# Altium PCB Main_Board.PcbDoc (part 12 of 19) (continued)
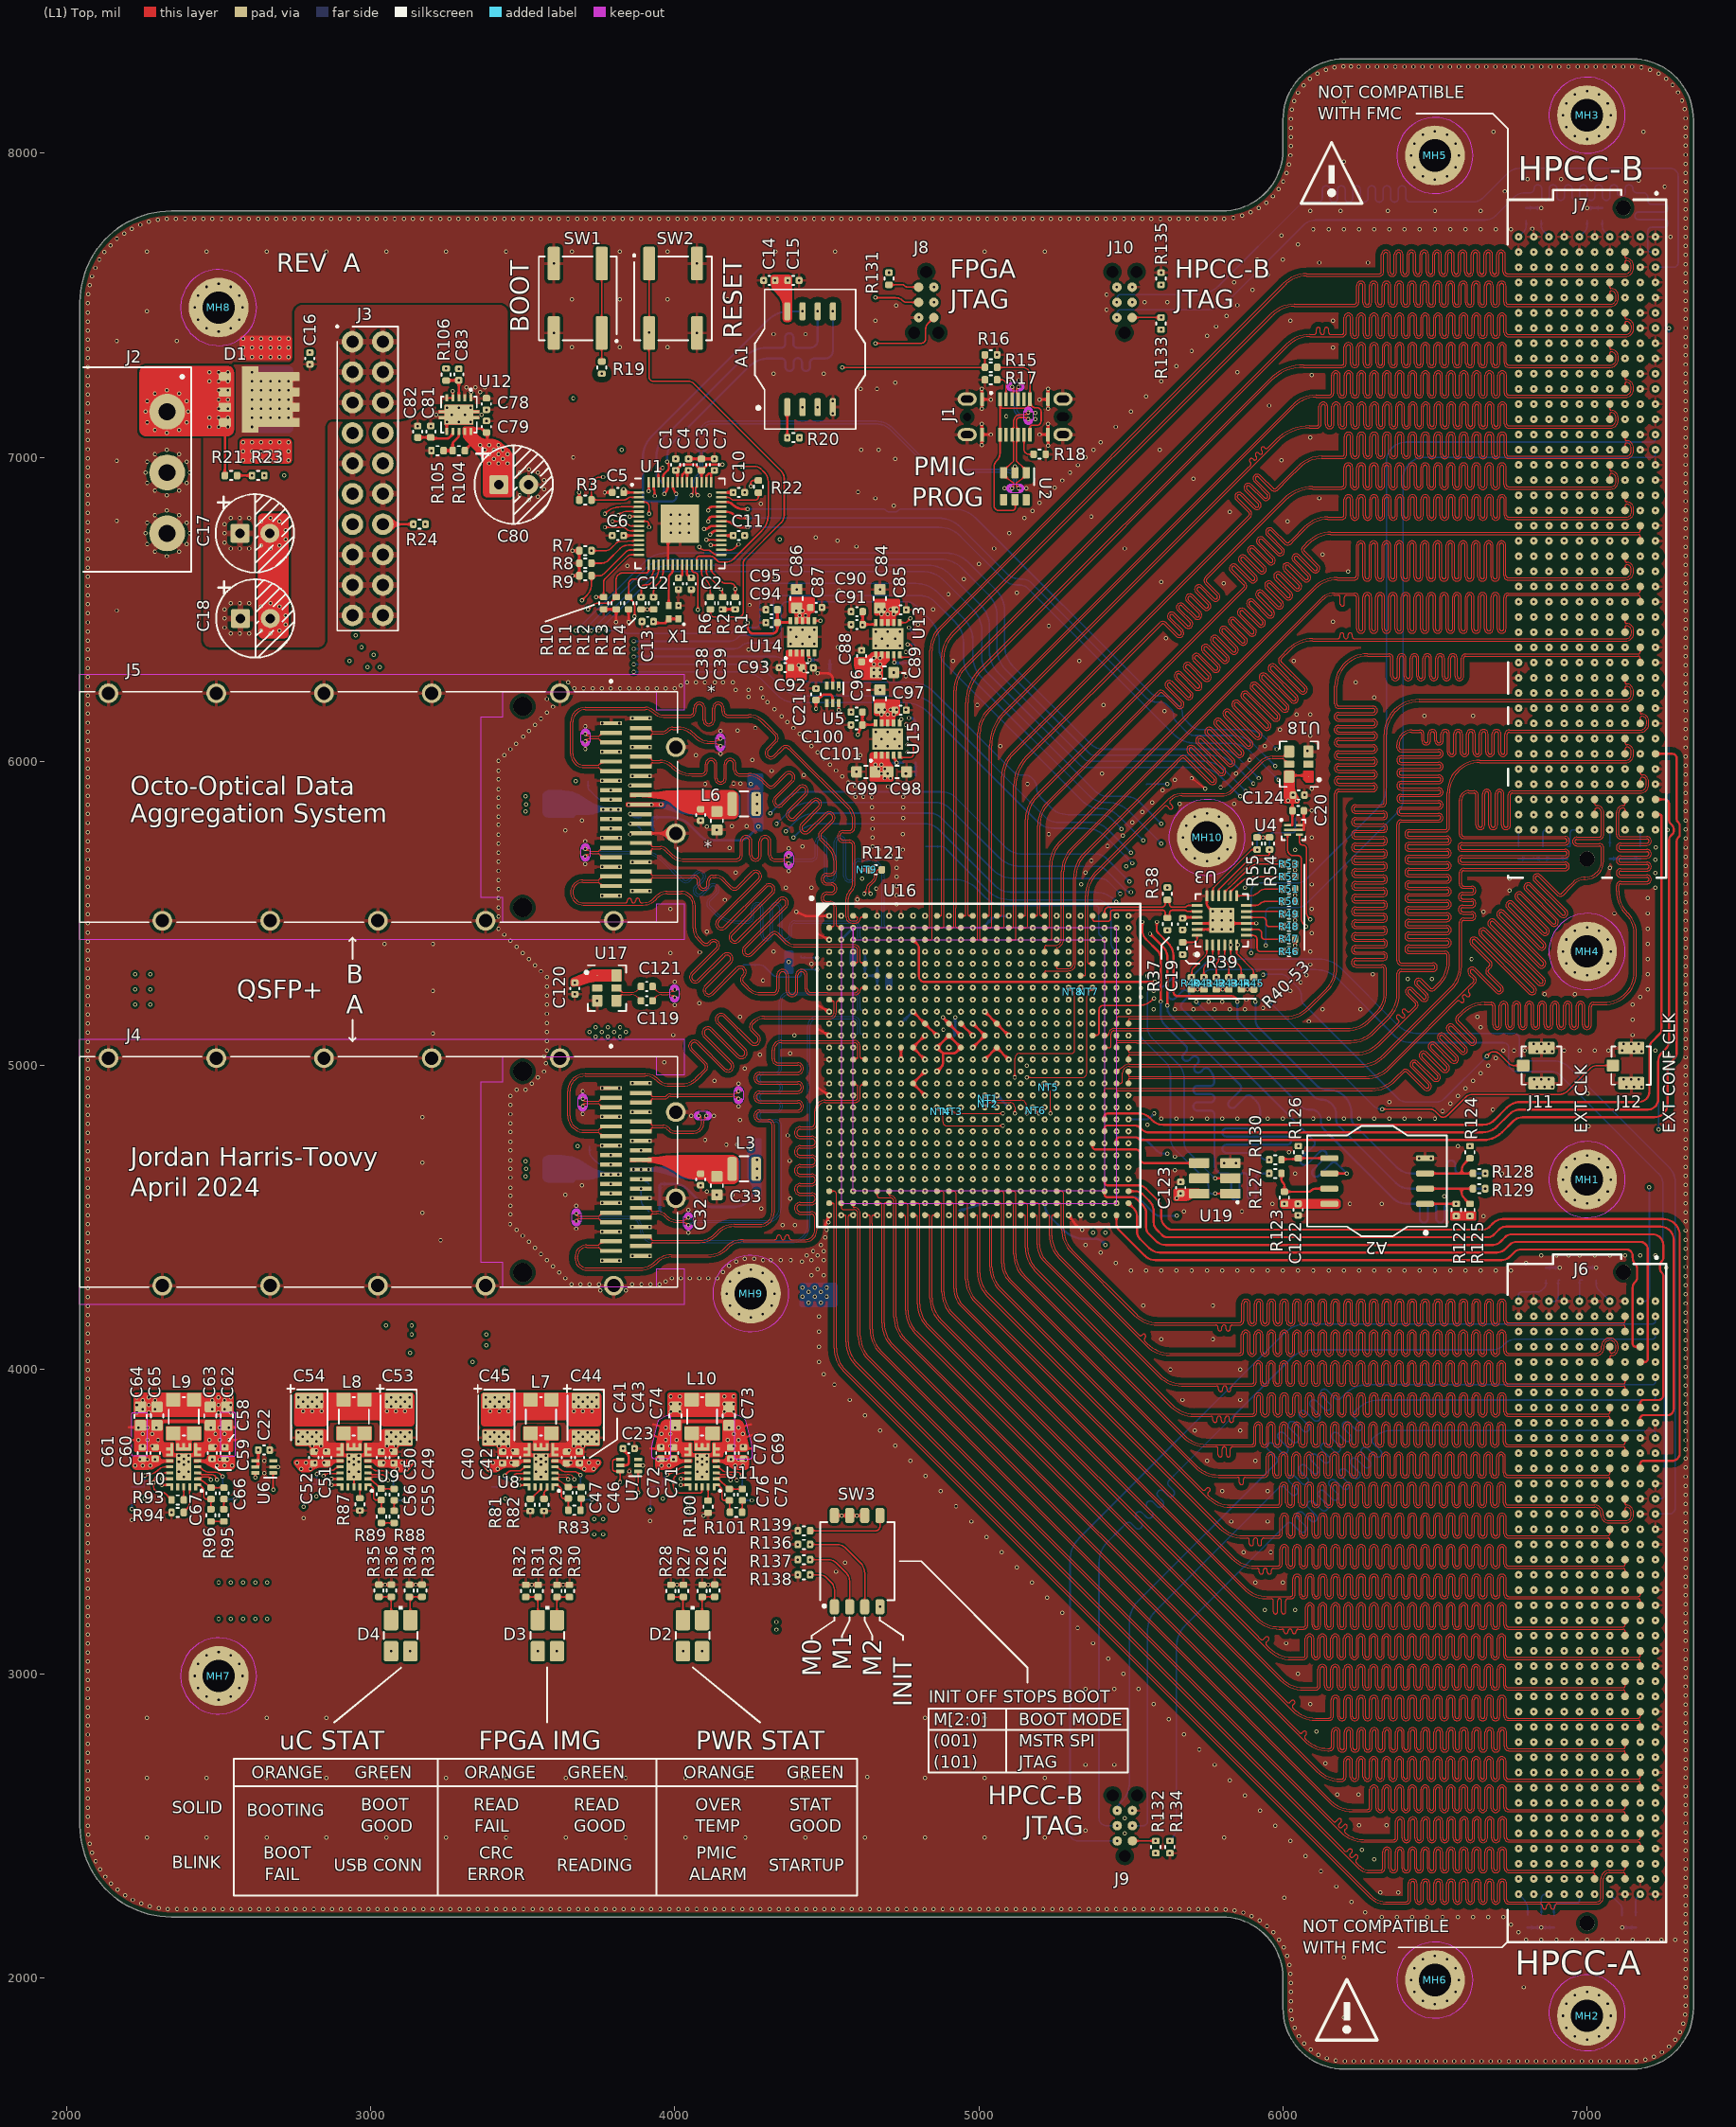
[diagram p0: (L1) Top view]
## Nets (pads, with @x,y where several pads share a name; then routed paths per layer and width w, separated by ;. In a path a pad name is that pad's centre, name@x,y a point inside that pad or via, vN(x,y) a via of type N, cw(c..) or ccw(c..) an arc to the next point about the centre after c; other vN are vias at no path point) (continued)
HPCC_B_21_N: J7.D25 U16.J19 | length 4292.2
  (L8) Inner 7 w3.5: v1(5216.54,5177.17) 5216.54,5188.54 cw(c5221,5188.54) 5221,5193 5294.22,5193 ccw(c5294.22,5217.39) 5318.62,5217.39 5318.62,5617.2 cw(c5418.62,5617.2) 5347.91,5687.91 5667.28,6007.28 5679.56,6019.56 cw(c5684.33,6014.79) 5689.11,6019.56 5733.67,5975 ; 5719.92,6051.82 ccw(c5715.13,6047.07) 5710.35,6051.84 ccw(c5715.13,6047.07) 5710.33,6042.32 5756.98,5995.67 5756.98,5995.5 cw(c5744.69,5985.96) 5755.69,5974.97 cw(c5744.69,5985.96) 5733.68,5974.98 ; 5719.93,6051.81 5765.21,6006.53 ; 5765.22,6006.52 ccw(c5776.23,6017.5) 5787.23,6006.51 ccw(c5776.23,6017.5) 5788.51,6027.04 5788.51,6027.21 5741.87,6073.85 cw(c5746.66,6078.6) 5741.89,6083.38 cw(c5746.66,6078.6) 5751.45,6083.36 5796.74,6038.07 ccw(c5807.77,6049.04) 5818.76,6038.04 ccw(c5807.77,6049.04) 5820.05,6058.57 5820.05,6058.74 5773.41,6105.39 cw(c5778.2,6110.14) 5773.43,6114.91 cw(c5778.2,6110.14) 5782.99,6114.9 5828.28,6069.61 ccw(c5839.3,6080.57) 5850.3,6069.58 ccw(c5839.3,6080.57) 5851.59,6090.11 5851.59,6090.28 5804.94,6136.93 cw(c5809.74,6141.68) 5804.96,6146.45 cw(c5809.74,6141.68) 5814.53,6146.43 ; 5814.54,6146.42 5859.82,6101.14 ; 5859.83,6101.13 ccw(c5870.84,6112.11) 5881.84,6101.12 ccw(c5870.84,6112.11) 5883.12,6121.65 5883.12,6121.82 5836.48,6168.46 cw(c5841.27,6173.21) 5836.5,6177.99 cw(c5841.27,6173.21) 5846.06,6177.97 5891.35,6132.68 ; 5891.37,6132.67 ccw(c5902.38,6143.65) 5913.37,6132.65 ccw(c5902.38,6143.65) 5914.66,6153.18 5914.66,6153.36 5868.02,6200 cw(c5872.81,6204.75) 5868.04,6209.52 cw(c5872.81,6204.75) 5877.6,6209.51 5922.89,6164.22 ccw(c5933.91,6175.19) 5944.91,6164.19 ccw(c5933.91,6175.19) 5946.2,6184.72 5946.2,6184.89 5899.55,6231.54 cw(c5904.35,6236.29) 5899.57,6241.06 cw(c5904.35,6236.29) 5909.14,6241.05 5954.43,6195.75 ccw(c5965.45,6206.72) 5976.45,6195.73 ccw(c5965.45,6206.72) 5977.74,6216.26 5977.73,6216.43 5931.09,6263.07 cw(c5935.88,6267.83) 5931.11,6272.6 cw(c5935.88,6267.83) 5940.67,6272.58 ; 5940.68,6272.57 5985.96,6227.29 ; 5985.98,6227.28 ccw(c5996.99,6238.26) 6007.98,6227.26 ccw(c5996.99,6238.26) 6009.27,6247.79 6009.27,6247.97 5962.63,6294.61 cw(c5967.42,6299.36) 5962.65,6304.13 cw(c5967.42,6299.36) 5972.21,6304.12 6017.5,6258.83 ; 6017.51,6258.82 ccw(c6028.52,6269.8) 6039.52,6258.8 ccw(c6028.52,6269.8) 6040.81,6279.33 6040.81,6279.5 5994.93,6325.38 cw(c5999.7,6330.16) 5994.93,6334.93 5999.28,6339.28 6175.71,6515.71 cw(c6246.42,6445) 6246.42,6545 6356,6545 6371.25,6545 cw(c6371.25,6538.25) 6378,6538.25 6378,6533.76 ccw(c6384.75,6533.76) 6391.5,6533.76 6391.5,6539.7 cw(c6398.25,6539.7) 6405,6539.7 6405,6533.76 ccw(c6411.75,6533.76) 6418.5,6533.76 6418.5,6538.25 cw(c6425.25,6538.25) 6425.25,6545 6438.86,6545 6920.94,6545 cw(c6922.39,6543.55) 6922.39,6545.6 7071.5,6545.6 cw(c7071.5,6542.1) 7073.97,6544.57 cw(c7071.5,6542.1) 7075,6542.1 v1(7075,6525)
HPCC_B_21_P: J7.D24 U16.J18 | length 4289.1
  (L8) Inner 7 w3.5: v1(5177.17,5177.17) 5177.17,5194.17 cw(c5183.35,5194.17) 5183.35,5200.35 5294.22,5200.35 ccw(c5294.22,5217.39) 5311.27,5217.39 5311.27,5516.23 ccw(c5308.79,5516.23) 5310.54,5517.98 cw(c5312.29,5519.73) 5309.82,5519.73 5309.82,5617.2 cw(c5418.62,5617.2) 5341.69,5694.13 5661.06,6013.5 5673.34,6025.78 cw(c5684.33,6014.79) 5695.33,6025.78 5739.94,5981.17 ccw(c5744.69,5985.96) 5749.47,5981.19 ccw(c5744.69,5985.96) 5749.45,5990.75 5704.16,6036.04 cw(c5715.13,6047.07) 5704.13,6058.06 cw(c5715.13,6047.07) 5724.66,6059.35 5724.83,6059.35 5771.48,6012.71 ccw(c5776.23,6017.5) 5781,6012.73 ccw(c5776.23,6017.5) 5780.99,6022.29 5735.7,6067.58 cw(c5746.66,6078.6) 5735.67,6089.6 cw(c5746.66,6078.6) 5756.2,6090.89 5756.37,6090.89 5803.02,6044.24 ccw(c5807.77,6049.04) 5812.54,6044.27 ccw(c5807.77,6049.04) 5812.52,6053.83 5767.23,6099.12 ; 5767.22,6099.13 cw(c5778.2,6110.14) 5767.2,6121.14 cw(c5778.2,6110.14) 5787.73,6122.43 5787.91,6122.43 5834.55,6075.78 ccw(c5839.3,6080.57) 5844.08,6075.8 ccw(c5839.3,6080.57) 5844.06,6085.36 ; 5844.05,6085.38 5798.77,6130.66 cw(c5809.74,6141.68) 5798.74,6152.67 cw(c5809.74,6141.68) 5819.27,6153.96 5819.44,6153.96 5866.09,6107.32 ccw(c5870.84,6112.11) 5875.61,6107.34 ccw(c5870.84,6112.11) 5875.6,6116.9 5830.31,6162.19 cw(c5841.27,6173.21) 5830.28,6184.21 cw(c5841.27,6173.21) 5850.81,6185.5 5850.98,6185.5 5897.63,6138.85 ccw(c5902.38,6143.65) 5907.15,6138.88 ccw(c5902.38,6143.65) 5907.13,6148.44 ; 5893.37,6225.28 cw(c5904.35,6236.29) 5893.35,6247.28 cw(c5904.35,6236.29) 5913.88,6248.57 5914.05,6248.57 5960.7,6201.93 ccw(c5965.45,6206.72) 5970.22,6201.95 ccw(c5965.45,6206.72) 5970.21,6211.51 5924.92,6256.8 cw(c5935.88,6267.83) 5924.89,6278.82 cw(c5935.88,6267.83) 5945.42,6280.11 5945.59,6280.11 5992.24,6233.46 ccw(c5996.99,6238.26) 6001.76,6233.49 ccw(c5996.99,6238.26) 6001.74,6243.05 5956.45,6288.34 cw(c5967.42,6299.36) 5956.43,6310.36 cw(c5967.42,6299.36) 5976.96,6311.65 5977.13,6311.65 6023.77,6265 ccw(c6028.52,6269.8) 6033.3,6265.02 ccw(c6028.52,6269.8) 6033.28,6274.58 ; 5893.38,6225.27 5938.66,6179.99 ; 5907.12,6148.45 5861.84,6193.73 cw(c5872.81,6204.75) 5861.82,6215.75 cw(c5872.81,6204.75) 5882.34,6217.04 5882.52,6217.04 5929.16,6170.39 ccw(c5933.91,6175.19) 5938.69,6170.41 ccw(c5933.91,6175.19) 5938.67,6179.97 ; 6033.27,6274.6 5988.73,6319.13 cw(c5999.7,6330.16) 5988.71,6341.15 5993.06,6345.5 6169.49,6521.93 cw(c6246.42,6445) 6246.42,6553.8 6917.3,6553.8 cw(c6918.75,6552.35) 6918.75,6554.4 7071.5,6554.4 ccw(c7071.5,6557.9) 7073.97,6555.43 ccw(c7071.5,6557.9) 7075,6557.9 v1(7075,6575)
HPCC_B_22_N: J7.D29 U16.L20 | length 4419.6
  (L8) Inner 7 w3.5: v1(5255.91,5098.43) 5255.91,5110.61 cw(c5259.41,5110.61) 5259.41,5114.11 5280.07,5114.11 5294.95,5114.11 ccw(c5294.95,5121.46) 5295.04,5114.11 5295.31,5114.11 5492.13,5114.11 cw(c5492.13,5098.43) 5492.46,5114.11 ; 5492.49,5114.11 ccw(c5492.6,5124.96) 5492.57,5114.11 5515,5114.11 ccw(c5516.45,5114.11) 5516.45,5112.66 5970.04,5112.66 ccw(c5970.04,5221.46) 6046.97,5144.52 6146.93,5244.49 ccw(c6070,5321.42) 6178.8,5321.42 6178.8,5725 6178.8,5779.03 cw(c6185.55,5779.03) 6185.55,5785.78 6291.25,5785.78 ccw(c6291.25,5801.33) 6291.25,5816.88 6185.1,5816.88 cw(c6185.1,5823.63) 6185.1,5830.38 6291.25,5830.38 ccw(c6291.25,5845.93) 6291.25,5861.48 6185.1,5861.48 cw(c6185.1,5868.23) 6185.1,5874.98 6291.25,5874.98 ccw(c6291.25,5890.53) 6291.25,5906.08 6185.1,5906.08 cw(c6185.1,5912.83) 6185.1,5919.58 6291.25,5919.58 ccw(c6291.25,5935.13) 6291.25,5950.68 6185.1,5950.68 cw(c6185.1,5957.43) 6185.1,5964.18 6291.25,5964.18 ccw(c6291.25,5979.73) 6291.25,5995.28 6185.1,5995.28 cw(c6185.1,6002.03) 6185.1,6008.78 6291.25,6008.78 ccw(c6291.25,6024.33) 6291.25,6039.88 6185.55,6039.88 cw(c6185.55,6046.63) 6178.8,6046.63 6178.8,6052.78 6178.8,6066 6178.8,6081.25 cw(c6185.55,6081.25) 6185.55,6088 6192,6088 ccw(c6192,6094.75) 6192,6101.5 6184.77,6101.5 cw(c6184.77,6108.25) 6184.77,6115 6192,6115 ccw(c6192,6121.75) 6192,6128.5 6185.55,6128.5 cw(c6185.55,6135.25) 6178.8,6135.25 6178.8,6152 6178.8,6245 cw(c6278.8,6245) 6278.8,6345 7069,6345 cw(c7069,6339) 7075,6339 v1(7075,6325)
HPCC_B_22_P: J7.D28 U16.L19 | length 4407.4
  (L8) Inner 7 w3.5: v1(5216.54,5098.43) 5216.54,5115.54 cw(c5222.46,5115.54) 5222.46,5121.46 5280.03,5121.46 5294.91,5121.46 5295.28,5121.46 5492.13,5121.46 cw(c5492.13,5098.43) 5492.56,5121.46 ; 5492.58,5121.46 5515,5121.46 5970.04,5121.46 ccw(c5970.04,5221.46) 6040.75,5150.75 6140.71,5250.71 ccw(c6070,5321.42) 6170,5321.42 6170,5725 6170,5779.03 cw(c6185.55,5779.03) 6185.55,5794.58 6291.25,5794.58 ccw(c6291.25,5801.33) 6291.25,5808.08 6185.1,5808.08 cw(c6185.1,5823.63) 6185.1,5839.18 6291.25,5839.18 ccw(c6291.25,5845.93) 6291.25,5852.68 6185.1,5852.68 cw(c6185.1,5868.23) 6185.1,5883.78 6291.25,5883.78 ccw(c6291.25,5890.53) 6291.25,5897.28 6185.1,5897.28 cw(c6185.1,5912.83) 6185.1,5928.38 6291.25,5928.38 ccw(c6291.25,5935.13) 6291.25,5941.88 6185.1,5941.88 cw(c6185.1,5957.43) 6185.1,5972.98 6291.25,5972.98 ccw(c6291.25,5979.73) 6291.25,5986.48 6185.1,5986.48 cw(c6185.1,6002.03) 6185.1,6017.58 6291.25,6017.58 ccw(c6291.25,6024.33) 6291.25,6031.08 6185.55,6031.08 cw(c6185.55,6046.63) 6170,6046.63 6170,6052.78 6170,6245 cw(c6278.8,6245) 6278.8,6353.8 7069,6353.8 ccw(c7069,6359.8) 7075,6359.8 v1(7075,6375)
HPCC_B_23_N: J7.D33 U16.N23 | length 4190.3
  (L8) Inner 7 w3.5: v1(5374.02,5019.69) 5383.69,5019.69 ccw(c5383.69,5024) 5388,5024 cw(c5407.35,5024) 5407.35,5043.35 6181.93,5043.35 ccw(c6181.93,5143.35) 6252.64,5072.64 6345.71,5165.71 ccw(c6275,5236.42) 6375,5236.42 6375,5750 6375,5804.45 cw(c6390.55,5804.45) 6390.55,5820 6509.13,5820 ccw(c6509.13,5826.75) 6509.13,5833.5 6388.73,5833.5 cw(c6388.73,5849.05) 6388.73,5864.6 6509.13,5864.6 ccw(c6509.13,5871.35) 6509.13,5878.1 6388.73,5878.1 cw(c6388.73,5893.65) 6388.73,5909.2 6509.13,5909.2 ccw(c6509.13,5915.95) 6509.13,5922.7 6388.73,5922.7 cw(c6388.73,5938.25) 6388.73,5953.8 6509.13,5953.8 ccw(c6509.13,5960.55) 6509.13,5967.3 6390.55,5967.3 cw(c6390.55,5982.85) 6375,5982.85 6375,5989 6375,5995 cw(c6483.8,5995) 6483.8,6103.8 6519.25,6103.8 6521,6103.8 ccw(c6521,6110.55) 6527.75,6110.55 6527.75,6113.29 cw(c6534.5,6113.29) 6541.25,6113.29 6541.25,6109.1 ccw(c6548,6109.1) 6554.75,6109.1 6554.75,6113.29 cw(c6561.5,6113.29) 6568.25,6113.29 6568.25,6110.55 ccw(c6575,6110.55) 6575,6103.8 6592.57,6103.8 6610.05,6103.8 cw(c6610.05,6088.25) 6625.6,6088.25 6625.6,6040.83 ccw(c6632.35,6040.83) 6639.1,6040.83 6639.1,6088.92 cw(c6654.65,6088.92) 6670.2,6088.92 6670.2,6040.83 ccw(c6676.95,6040.83) 6683.7,6040.83 6683.7,6088.92 cw(c6699.25,6088.92) 6714.8,6088.92 6714.8,6040.83 ccw(c6721.55,6040.83) 6728.3,6040.83 6728.3,6088.25 cw(c6743.85,6088.25) 6743.85,6103.8 6750,6103.8 7078.8,6103.8 ccw(c7078.8,6122) 7097,6122 7097,6127 ccw(c7078,6127) 7078,6146 ccw(c7078,6143) 7075,6143 v1(7075,6125)
HPCC_B_23_P: J7.D32 U16.P23 | length 4208.2
  (L8) Inner 7 w3.5: v1(5374.02,4980.31) 5390.26,4980.31 ccw(c5390.26,4985.41) 5395.35,4985.41 5395.35,5024 cw(c5407.35,5024) 5407.35,5036 5515,5036 ccw(c5516.45,5036) 5516.45,5034.55 6181.93,5034.55 ccw(c6181.93,5143.35) 6258.86,5066.42 6351.93,5159.49 ccw(c6275,5236.42) 6383.8,5236.42 6383.8,5750 6383.8,5804.45 cw(c6390.55,5804.45) 6390.55,5811.2 6509.13,5811.2 ccw(c6509.13,5826.75) 6509.13,5842.3 6388.73,5842.3 cw(c6388.73,5849.05) 6388.73,5855.8 6509.13,5855.8 ccw(c6509.13,5871.35) 6509.13,5886.9 6388.73,5886.9 cw(c6388.73,5893.65) 6388.73,5900.4 6509.13,5900.4 ccw(c6509.13,5915.95) 6509.13,5931.5 6388.73,5931.5 cw(c6388.73,5938.25) 6388.73,5945 6509.13,5945 ccw(c6509.13,5960.55) 6509.13,5976.1 6390.55,5976.1 cw(c6390.55,5982.85) 6383.8,5982.85 6383.8,5989 6383.8,5995 cw(c6483.8,5995) 6483.8,6095 6592.57,6095 6610.05,6095 cw(c6610.05,6088.25) 6616.8,6088.25 6616.8,6040.83 ccw(c6632.35,6040.83) 6647.9,6040.83 6647.9,6088.92 cw(c6654.65,6088.92) 6661.4,6088.92 6661.4,6040.83 ccw(c6676.95,6040.83) 6692.5,6040.83 6692.5,6088.92 cw(c6699.25,6088.92) 6706,6088.92 6706,6040.83 ccw(c6721.55,6040.83) 6737.1,6040.83 6737.1,6088.25 cw(c6743.85,6088.25) 6743.85,6095 6750,6095 7078.8,6095 ccw(c7078.8,6122) 7105.8,6122 7105.8,6127 ccw(c7078,6127) 7078,6154.8 cw(c7078,6157.8) 7075,6157.8 v1(7075,6175)
HPCC_B_24_N: J7.D37 U16.R23 | length 4248.5
  (L8) Inner 7 w3.5: v1(5374.02,4940.94) 5374.02,4953.5 cw(c5377.52,4953.5) 5377.52,4957 5515,4957 ccw(c5516.45,4957) 5516.45,4955.55 6217.93,4955.55 ccw(c6217.93,5064.35) 6294.86,4987.42 6556.93,5249.49 ccw(c6480,5326.42) 6588.8,5326.42 6588.8,5502.89 6588.8,5527.65 cw(c6595.55,5527.65) 6595.55,5534.4 6708.61,5534.4 ccw(c6708.61,5549.95) 6708.61,5565.5 6595.18,5565.5 cw(c6595.18,5572.25) 6595.18,5579 6708.61,5579 ccw(c6708.61,5594.55) 6708.61,5610.1 6595.18,5610.1 cw(c6595.18,5616.85) 6595.18,5623.6 6708.61,5623.6 ccw(c6708.61,5639.15) 6708.61,5654.7 6595.18,5654.7 cw(c6595.18,5661.45) 6595.18,5668.2 6708.61,5668.2 ccw(c6708.61,5683.75) 6708.61,5699.3 6595.18,5699.3 cw(c6595.18,5706.05) 6595.18,5712.8 6708.61,5712.8 ccw(c6708.61,5728.35) 6708.61,5743.9 6595.18,5743.9 cw(c6595.18,5750.65) 6595.18,5757.4 6708.61,5757.4 ccw(c6708.61,5772.95) 6708.61,5788.5 6595.18,5788.5 cw(c6595.18,5795.25) 6595.18,5802 6708.61,5802 ccw(c6708.61,5817.55) 6708.61,5833.1 6595.55,5833.1 cw(c6595.55,5839.85) 6588.8,5839.85 6588.8,5846 cw(c6688.8,5846) 6688.8,5946 7071,5946 cw(c7071,5942) 7075,5942 v1(7075,5925)
HPCC_B_24_P: J7.D36 U16.R22 | length 4292.4
  (L8) Inner 7 w3.5: v1(5334.65,4940.94) 5334.65,4958.12 cw(c5340.87,4958.12) 5340.87,4964.35 6217.93,4964.35 ccw(c6217.93,5064.35) 6288.64,4993.64 6550.71,5255.71 ccw(c6480,5326.42) 6580,5326.42 6580,5502.89 6580,5527.65 cw(c6595.55,5527.65) 6595.55,5543.2 6708.61,5543.2 ccw(c6708.61,5549.95) 6708.61,5556.7 6595.18,5556.7 cw(c6595.18,5572.25) 6595.18,5587.8 6708.61,5587.8 ccw(c6708.61,5594.55) 6708.61,5601.3 6595.18,5601.3 cw(c6595.18,5616.85) 6595.18,5632.4 6708.61,5632.4 ccw(c6708.61,5639.15) 6708.61,5645.9 6595.18,5645.9 cw(c6595.18,5661.45) 6595.18,5677 6708.61,5677 ccw(c6708.61,5683.75) 6708.61,5690.5 6595.18,5690.5 cw(c6595.18,5706.05) 6595.18,5721.6 6708.61,5721.6 ccw(c6708.61,5728.35) 6708.61,5735.1 6595.18,5735.1 cw(c6595.18,5750.65) 6595.18,5766.2 6708.61,5766.2 ccw(c6708.61,5772.95) 6708.61,5779.7 6595.18,5779.7 cw(c6595.18,5795.25) 6595.18,5810.8 6708.61,5810.8 ccw(c6708.61,5817.55) 6708.61,5824.3 6595.55,5824.3 cw(c6595.55,5839.85) 6580,5839.85 6580,5846 cw(c6688.8,5846) 6688.8,5954.8 7071,5954.8 ccw(c7071,5958.8) 7075,5958.8 v1(7075,5975)
HPCC_B_25_N: J7.E3 U16.D8 | length 3989.1
  (L8) Inner 7 w3.5: v1(4783.46,5374.02) 4795.97,5374.02 ccw(c4795.97,5377.52) 4798.45,5375.04 ccw(c4795.97,5377.52) 4799.47,5377.52 4799.47,5541.69 cw(c4848.31,5541.69) 4813.78,5576.22 4824.88,5587.32 ccw(c4793.2,5619) 4838,5619 4838,6365.38 cw(c4946.8,6365.38) 4869.87,6442.31 5999.49,7571.93 cw(c6076.42,7495) 6076.42,7603.8 6619.27,7603.8 6649.29,7603.8 ccw(c6649.29,7610.55) 6656.04,7610.55 6656.04,7637.84 cw(c6671.59,7637.84) 6687.14,7637.84 6687.14,7609.4 ccw(c6693.89,7609.4) 6700.64,7609.4 6700.64,7637.84 cw(c6716.19,7637.84) 6731.74,7637.84 6731.74,7610.55 ccw(c6738.49,7610.55) 6738.49,7603.8 6766.94,7603.8 7028.8,7603.8 ccw(c7028.8,7622) 7047,7622 7047,7629 ccw(c7029,7629) 7029,7647 ccw(c7029,7643) 7025,7643 v1(7025,7625)
HPCC_B_25_P: J7.E2 U16.D9 | length 4000.5
  (L8) Inner 7 w3.5: v1(4822.83,5374.02) 4810.32,5374.02 cw(c4810.32,5377.52) 4807.85,5375.04 cw(c4810.32,5377.52) 4806.82,5377.52 4806.82,5516.23 cw(c4809.3,5516.23) 4807.55,5517.98 ccw(c4805.8,5519.73) 4808.27,5519.73 4808.27,5541.69 cw(c4848.31,5541.69) 4820,5570 4831.1,5581.1 ccw(c4793.2,5619) 4846.8,5619 4846.8,6365.38 cw(c4946.8,6365.38) 4876.09,6436.09 6005.71,7565.71 cw(c6076.42,7495) 6076.42,7595 6619.27,7595 6649.29,7595 ccw(c6649.29,7610.55) 6664.84,7610.55 6664.84,7637.84 cw(c6671.59,7637.84) 6678.34,7637.84 6678.34,7609.4 ccw(c6693.89,7609.4) 6709.44,7609.4 6709.44,7637.84 cw(c6716.19,7637.84) 6722.94,7637.84 6722.94,7610.55 ccw(c6738.49,7610.55) 6738.49,7595 6766.94,7595 7028.8,7595 ccw(c7028.8,7622) 7055.8,7622 7055.8,7629 ccw(c7029,7629) 7029,7655.8 cw(c7029,7659.8) 7025,7659.8 v1(7025,7675)
HPCC_B_26_N: J7.E7 U16.C11 | length 3988.6
  (L8) Inner 7 w3.5: v1(4901.57,5413.39) 4914.08,5413.39 ccw(c4914.08,5416.89) 4916.56,5414.41 ccw(c4914.08,5416.89) 4917.58,5416.89 4917.58,6234.96 cw(c5026.38,6234.96) 4949.45,6311.9 6009.49,7371.93 cw(c6086.42,7295) 6086.42,7403.8 6557.87,7403.8 6564.02,7403.8 ccw(c6564.02,7410.55) 6570.77,7410.55 6570.77,7453.69 cw(c6586.32,7453.69) 6601.87,7453.69 6601.87,7409.45 ccw(c6608.62,7409.45) 6615.37,7409.45 6615.37,7453.69 cw(c6630.92,7453.69) 6646.47,7453.69 6646.47,7409.45 ccw(c6653.22,7409.45) 6659.97,7409.45 6659.97,7453.69 cw(c6675.52,7453.69) 6691.07,7453.69 6691.07,7409.45 ccw(c6697.82,7409.45) 6704.57,7409.45 6704.57,7453.69 cw(c6720.12,7453.69) 6735.67,7453.69 6735.67,7410.55 ccw(c6742.42,7410.55) 6742.42,7403.8 6771.06,7403.8 7029.8,7403.8 ccw(c7029.8,7421) 7047,7421 7047,7427 ccw(c7028,7427) 7028,7446 ccw(c7028,7443) 7025,7443 v1(7025,7425)
HPCC_B_26_P: J7.E6 U16.C12 | length 4002
  (L8) Inner 7 w3.5: v1(4940.94,5413.39) 4928.43,5413.39 cw(c4928.43,5416.89) 4925.96,5414.41 cw(c4928.44,5416.89) 4924.93,5416.89 4924.93,5516.23 cw(c4927.41,5516.23) 4925.66,5517.98 ccw(c4923.91,5519.73) 4926.38,5519.73 4926.38,6234.96 cw(c5026.38,6234.96) 4955.67,6305.67 6015.71,7365.71 cw(c6086.42,7295) 6086.42,7395 6557.87,7395 6564.02,7395 ccw(c6564.02,7410.55) 6579.57,7410.55 6579.57,7453.69 cw(c6586.32,7453.69) 6593.07,7453.69 6593.07,7409.45 ccw(c6608.62,7409.45) 6624.17,7409.45 6624.17,7453.69 cw(c6630.92,7453.69) 6637.67,7453.69 6637.67,7409.45 ccw(c6653.22,7409.45) 6668.77,7409.45 6668.77,7453.69 cw(c6675.52,7453.69) 6682.27,7453.69 6682.27,7409.45 ccw(c6697.82,7409.45) 6713.37,7409.45 6713.37,7453.69 cw(c6720.12,7453.69) 6726.87,7453.69 6726.87,7410.55 ccw(c6742.42,7410.55) 6742.42,7395 6771.06,7395 7029.8,7395 ccw(c7029.8,7421) 7055.8,7421 7055.8,7427 ccw(c7028,7427) 7028,7454.8 cw(c7028,7457.8) 7025,7457.8 v1(7025,7475)
HPCC_B_27_N: J7.E11 U16.D13 | length 4124.7
  (L8) Inner 7 w3.5: v1(4980.31,5374.02) 4992.82,5374.02 ccw(c4992.82,5377.52) 4995.3,5375.04 ccw(c4992.82,5377.52) 4996.32,5377.52 4996.32,6093.7 cw(c5105.12,6093.7) 5028.19,6170.64 6030.49,7172.93 cw(c6107.42,7096) 6107.42,7204.8 6468.94,7204.8 6475.09,7204.8 ccw(c6475.09,7211.55) 6481.84,7211.55 6481.84,7264.53 cw(c6497.39,7264.53) 6512.94,7264.53 6512.94,7211.01 ccw(c6519.69,7211.01) 6526.44,7211.01 6526.44,7264.53 cw(c6541.99,7264.53) 6557.54,7264.53 6557.54,7211.01 ccw(c6564.29,7211.01) 6571.04,7211.01 6571.04,7264.53 cw(c6586.59,7264.53) 6602.14,7264.53 6602.14,7211.01 ccw(c6608.89,7211.01) 6615.64,7211.01 6615.64,7264.53 cw(c6631.19,7264.53) 6646.74,7264.53 6646.74,7211.01 ccw(c6653.49,7211.01) 6660.24,7211.01 6660.24,7264.53 cw(c6675.79,7264.53) 6691.34,7264.53 6691.34,7211.01 ccw(c6698.09,7211.01) 6704.84,7211.01 6704.84,7264.53 cw(c6720.39,7264.53) 6735.94,7264.53 6735.94,7211.55 ccw(c6742.69,7211.55) 6742.69,7204.8 6781.92,7204.8 7032.8,7204.8 ccw(c7032.8,7219) 7047,7219 7047,7228 ccw(c7029,7228) 7029,7246 ccw(c7029,7242) 7025,7242 v1(7025,7225)
HPCC_B_27_P: J7.E10 U16.D14 | length 4138.2
  (L8) Inner 7 w3.5: 5003.67,5377.52 ccw(c5007.18,5377.52) 5004.7,5375.04 ccw(c5007.17,5377.52) 5007.17,5374.02 v1(5019.69,5374.02) ; 5003.68,5377.52 5003.68,5516.23 cw(c5006.15,5516.23) 5004.4,5517.98 ccw(c5002.65,5519.73) 5005.12,5519.73 5005.12,6093.7 cw(c5105.12,6093.7) 5034.41,6164.41 6036.71,7166.71 cw(c6107.42,7096) 6107.42,7196 6468.94,7196 6475.09,7196 ccw(c6475.09,7211.55) 6490.64,7211.55 6490.64,7264.53 cw(c6497.39,7264.53) 6504.14,7264.53 6504.14,7211.01 ccw(c6519.69,7211.01) 6535.24,7211.01 6535.24,7264.53 cw(c6541.99,7264.53) 6548.74,7264.53 6548.74,7211.01 ccw(c6564.29,7211.01) 6579.84,7211.01 6579.84,7264.53 cw(c6586.59,7264.53) 6593.34,7264.53 6593.34,7211.01 ccw(c6608.89,7211.01) 6624.44,7211.01 6624.44,7264.53 cw(c6631.19,7264.53) 6637.94,7264.53 6637.94,7211.01 ccw(c6653.49,7211.01) 6669.04,7211.01 6669.04,7264.53 cw(c6675.79,7264.53) 6682.54,7264.53 6682.54,7211.01 ccw(c6698.09,7211.01) 6713.64,7211.01 6713.64,7264.53 cw(c6720.39,7264.53) 6727.14,7264.53 6727.14,7211.55 ccw(c6742.69,7211.55) 6742.69,7196 6781.92,7196 7032.8,7196 ccw(c7032.8,7219) 7055.8,7219 7055.8,7228 ccw(c7029,7228) 7029,7254.8 cw(c7029,7258.8) 7025,7258.8 v1(7025,7275)
HPCC_B_28_N: J7.E15 U16.D16 | length 4034.3
  (L8) Inner 7 w3.5: v1(5098.43,5374.02) 5085.92,5374.02 cw(c5085.92,5377.52) 5083.44,5375.04 cw(c5085.92,5377.52) 5082.42,5377.52 5082.42,5950.99 cw(c5182.42,5950.99) 5111.7,6021.7 5882.28,6792.28 5886.63,6796.63 ccw(c5875.63,6807.62) 5886.63,6818.62 5851.77,6853.48 cw(c5856.56,6858.23) 5851.79,6863 cw(c5856.56,6858.23) 5861.35,6862.99 5896.85,6827.49 ccw(c5907.87,6838.46) 5918.87,6827.46 ccw(c5907.87,6838.46) 5920.16,6847.99 5920.16,6848.16 5883.3,6885.02 cw(c5888.1,6889.77) 5883.32,6894.54 cw(c5888.1,6889.77) 5892.89,6894.52 5928.38,6859.02 ccw(c5939.41,6869.99) 5950.4,6859 ccw(c5939.41,6869.99) 5951.69,6879.53 5951.69,6879.7 5914.84,6916.55 cw(c5919.63,6921.3) 5914.86,6926.08 cw(c5919.63,6921.3) 5924.42,6926.06 ; 5924.43,6926.05 5959.92,6890.56 ; 5959.93,6890.55 ccw(c5970.94,6901.53) 5981.94,6890.53 ccw(c5970.94,6901.53) 5983.23,6911.06 5983.23,6911.24 5946.38,6948.09 cw(c5951.17,6952.84) 5946.4,6957.61 cw(c5951.17,6952.84) 5955.96,6957.6 5990.76,6922.8 ccw(c6001.78,6933.77) 6012.77,6922.77 6027.55,6937.55 6105.71,7015.71 cw(c6176.42,6945) 6176.42,7045 6486,7045 6517.85,7045 cw(c6517.85,7038.25) 6524.6,7038.25 6524.6,7001.1 ccw(c6540.15,7001.1) 6555.7,7001.1 6555.7,7039.78 cw(c6562.45,7039.78) 6569.2,7039.78 6569.2,7001.1 ccw(c6584.75,7001.1) 6600.3,7001.1 6600.3,7039.78 cw(c6607.05,7039.78) 6613.8,7039.78 6613.8,7001.1 ccw(c6629.35,7001.1) 6644.9,7001.1 6644.9,7039.78 cw(c6651.65,7039.78) 6658.4,7039.78 6658.4,7001.1 ccw(c6673.95,7001.1) 6689.5,7001.1 6689.5,7039.78 cw(c6696.25,7039.78) 6703,7039.78 6703,7001.1 ccw(c6718.55,7001.1) 6734.1,7001.1 6734.1,7038.25 cw(c6740.85,7038.25) 6740.85,7045 6747,7045 7021,7045 cw(c7021,7041) 7025,7041 v1(7025,7025)
HPCC_B_28_P: J7.E14 U16.D15 | length 4049.8
  (L8) Inner 7 w3.5: v1(5059.06,5374.02) 5071.57,5374.02 ccw(c5071.57,5377.52) 5074.04,5375.04 ccw(c5071.56,5377.52) 5075.07,5377.52 5075.07,5516.23 ccw(c5072.59,5516.23) 5074.34,5517.98 cw(c5076.09,5519.73) 5073.62,5519.73 5073.62,5950.99 cw(c5182.42,5950.99) 5105.48,6027.93 5876.06,6798.5 5880.4,6802.85 ccw(c5875.63,6807.62) 5880.4,6812.39 5845.59,6847.21 cw(c5856.56,6858.23) 5845.56,6869.22 cw(c5856.56,6858.23) 5866.09,6870.51 5866.27,6870.51 5903.12,6833.66 ccw(c5907.87,6838.46) 5912.64,6833.68 ccw(c5907.87,6838.46) 5912.63,6843.24 ; 5877.12,6878.75 cw(c5888.1,6889.77) 5877.1,6900.76 cw(c5888.1,6889.77) 5897.63,6902.05 5897.8,6902.05 5934.66,6865.2 ccw(c5939.41,6869.99) 5944.18,6865.22 ccw(c5939.41,6869.99) 5944.16,6874.78 5908.67,6910.28 cw(c5919.63,6921.3) 5908.64,6932.3 cw(c5919.63,6921.3) 5929.17,6933.59 5929.34,6933.59 5966.19,6896.73 ccw(c5970.94,6901.53) 5975.72,6896.76 ccw(c5970.94,6901.53) 5975.7,6906.32 ; 5877.13,6878.74 5912.62,6843.26 ; 5940.2,6941.82 5975.69,6906.33 ; 5940.19,6941.83 cw(c5951.17,6952.84) 5940.18,6963.84 cw(c5951.17,6952.84) 5960.7,6965.12 5960.88,6965.12 5997.01,6929 ccw(c6001.78,6933.77) 6006.55,6929 6021.33,6943.78 6099.49,7021.93 cw(c6176.42,6945) 6176.42,7053.8 6486,7053.8 6517.85,7053.8 cw(c6517.85,7038.25) 6533.4,7038.25 6533.4,7001.1 ccw(c6540.15,7001.1) 6546.9,7001.1 6546.9,7039.78 cw(c6562.45,7039.78) 6578,7039.78 6578,7001.1 ccw(c6584.75,7001.1) 6591.5,7001.1 6591.5,7039.78 cw(c6607.05,7039.78) 6622.6,7039.78 6622.6,7001.1 ccw(c6629.35,7001.1) 6636.1,7001.1 6636.1,7039.78 cw(c6651.65,7039.78) 6667.2,7039.78 6667.2,7001.1 ccw(c6673.95,7001.1) 6680.7,7001.1 6680.7,7039.78 cw(c6696.25,7039.78) 6711.8,7039.78 6711.8,7001.1 ccw(c6718.55,7001.1) 6725.3,7001.1 6725.3,7038.25 cw(c6740.85,7038.25) 6740.85,7053.8 6747,7053.8 7021,7053.8 ccw(c7021,7057.8) 7025,7057.8 v1(7025,7075)
HPCC_B_29_N: J7.E19 U16.C18 | length 4068.8
  (L8) Inner 7 w3.5: v1(5177.17,5413.39) 5164.66,5413.39 cw(c5164.66,5416.89) 5162.18,5414.41 cw(c5164.66,5416.89) 5161.16,5416.89 5161.16,5809.73 cw(c5261.16,5809.73) 5190.44,5880.44 5863.45,6553.45 5867.8,6557.8 ccw(c5856.81,6568.8) 5867.8,6579.79 5826.83,6620.76 cw(c5831.63,6625.51) 5826.86,6630.28 cw(c5831.63,6625.51) 5836.42,6630.27 ; 5836.43,6630.25 5879.95,6586.73 ; 5879.96,6586.72 ccw(c5890.97,6597.7) 5901.97,6586.71 ccw(c5890.97,6597.7) 5903.26,6607.24 5903.26,6607.41 5858.37,6652.29 cw(c5863.17,6657.05) 5858.39,6661.82 cw(c5863.17,6657.05) 5867.95,6661.8 5911.49,6618.27 ccw(c5922.51,6629.24) 5933.51,6618.24 ccw(c5922.51,6629.24) 5934.79,6638.77 5934.79,6638.94 5889.91,6683.83 cw(c5894.7,6688.58) 5889.93,6693.36 cw(c5894.7,6688.58) 5899.49,6693.34 5943.02,6649.81 ; 5931.04,6724.86 5974.56,6681.34 ccw(c5985.58,6692.31) 5996.58,6681.32 ccw(c5985.58,6692.31) 5997.87,6701.85 5997.87,6702.02 5952.98,6746.91 cw(c5957.78,6751.66) 5953,6756.43 cw(c5957.78,6751.66) 5962.57,6756.41 ; 5931.03,6724.88 ccw(c5926.24,6720.12) 5921.47,6724.89 ccw(c5926.24,6720.12) 5921.44,6715.37 5966.33,6670.48 5966.33,6670.31 cw(c5954.05,6660.77) 5965.04,6649.78 cw(c5954.05,6660.77) 5943.04,6649.8 ; 5962.58,6756.4 6003.47,6715.51 ccw(c6014.49,6726.48) 6025.48,6715.48 6038.95,6728.95 6125.71,6815.71 cw(c6196.42,6745) 6196.42,6845 6514.19,6845 6520.34,6845 ccw(c6520.34,6860.55) 6535.89,6860.55 6535.89,6906.08 cw(c6542.64,6906.08) 6549.39,6906.08 6549.39,6858.88 ccw(c6564.94,6858.88) 6580.49,6858.88 6580.49,6906.08 cw(c6587.24,6906.08) 6593.99,6906.08 6593.99,6858.88 ccw(c6609.54,6858.88) 6625.09,6858.88 6625.09,6906.08 cw(c6631.84,6906.08) 6638.59,6906.08 6638.59,6858.88 ccw(c6654.14,6858.88) 6669.69,6858.88 6669.69,6906.08 cw(c6676.44,6906.08) 6683.19,6906.08 6683.19,6858.88 ccw(c6698.74,6858.88) 6714.29,6858.88 6714.29,6906.08 cw(c6721.04,6906.08) 6727.79,6906.08 6727.79,6860.55 ccw(c6743.34,6860.55) 6743.34,6845 6779.97,6845 7019,6845 cw(c7019,6839) 7025,6839 v1(7025,6825)